# Altium PCB Hrafn.PcbDoc (part 4 of 5) (continued)
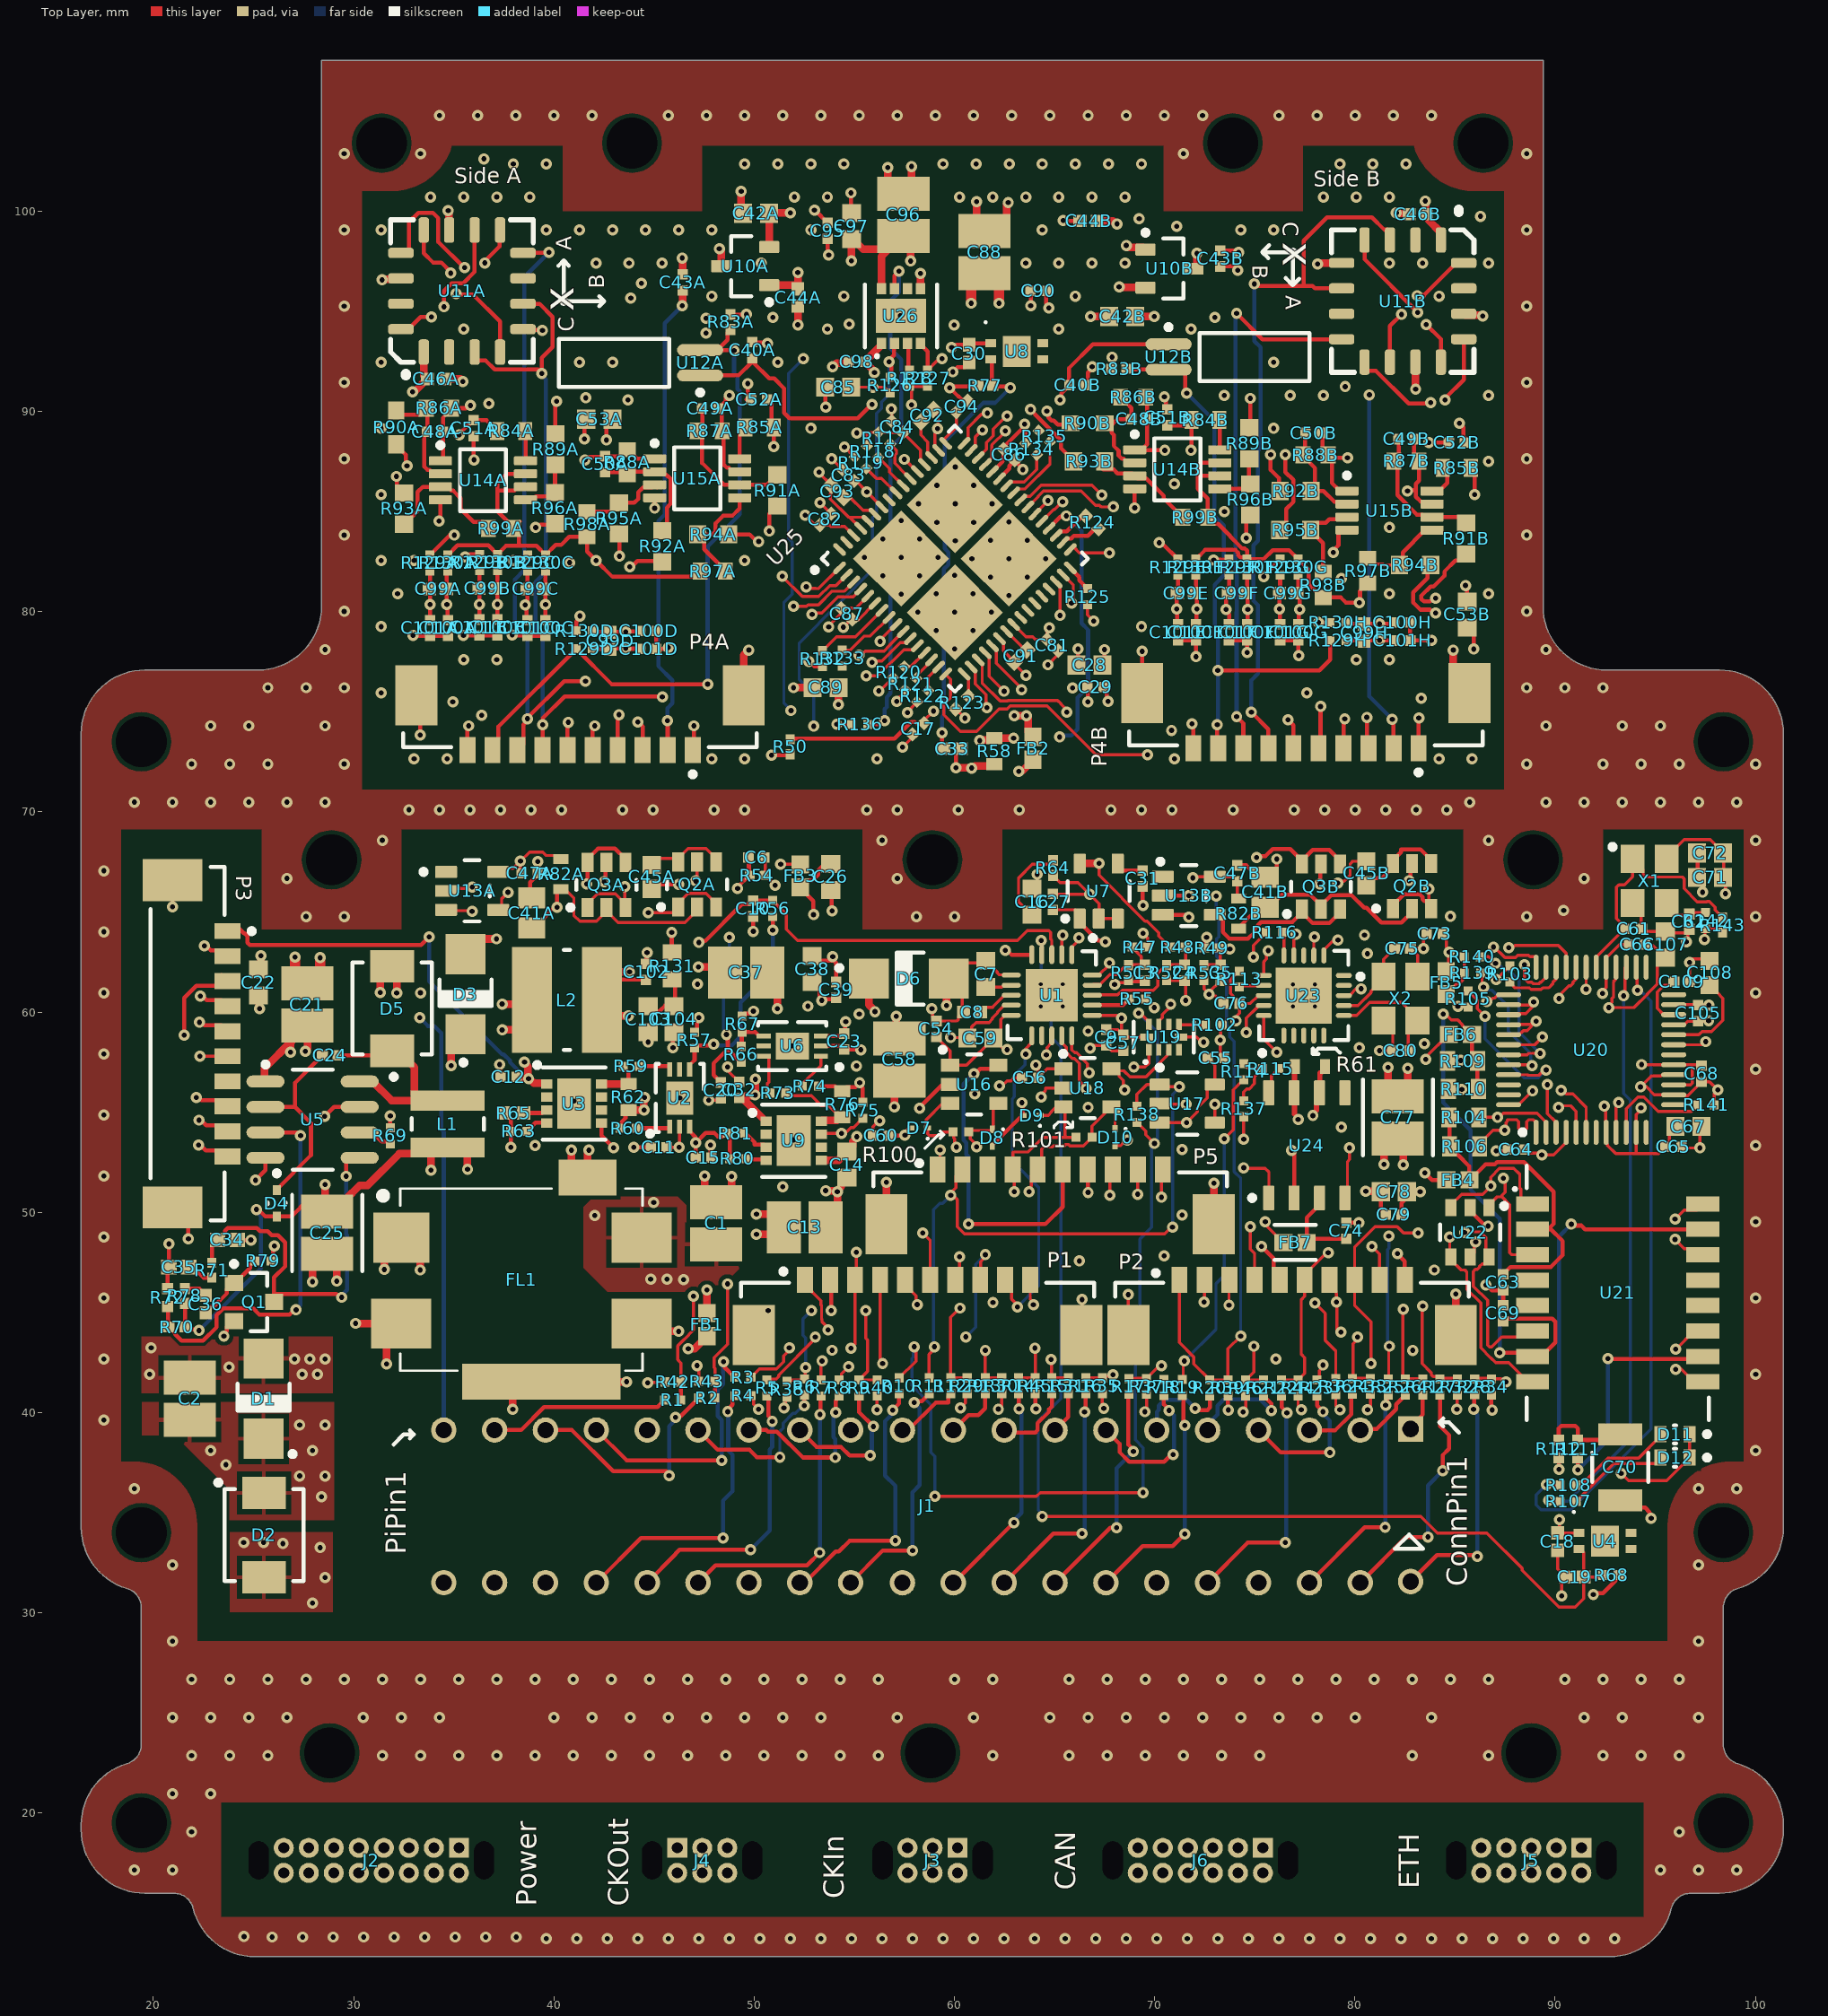
[diagram p0: Top Layer view]
## Nets (pads, with @x,y where several pads share a name; then routed paths per layer and width w, separated by ;. In a path a pad name is that pad's centre, name@x,y a point inside that pad or via, vN(x,y) a via of type N, cw(c..) or ccw(c..) an arc to the next point about the centre after c; other vN are vias at no path point) (continued)
NetC62_1: C62.1 R142.2 X1.3 | length 2.5
  Top Layer w0.152: X1.3@95.567,65.448 95.567,65.348 96.09,64.824 96.616,64.824 C62.1@96.698,64.906 96.698,64.926 96.882,65.11 96.882,64.967 R142.2@97.511,64.967
NetC63_2: C63.2 FB4.1 R104.2 R106.2 U21.2 | length 16.6
  Top Layer w0.152: 90.322,48.616 90.373,48.565
  Top Layer w0.203: R104.2@84.696,54.737 84.721,54.712 R106.2@84.721,53.289 84.721,53.164 84.994,52.891 85.119,52.891 85.717,52.293 FB4.1@85.717,51.613 85.741,51.613 86.511,52.383 86.977,52.383 87.096,52.502 88.445,52.502 89.921,51.026 89.921,49.425 U21.2@89.645,49.149 ; C63.2@87.401,46.907 87.764,47.27 89.787,47.27 90.373,47.856 90.373,48.565 ; U21.2@88.868,49.149 U21.2@89.645,49.149 ; 90.322,48.616 89.789,49.149 U21.2@89.645,49.149
NetC69_2: C69.2 FB6.1 R109.2 R110.2 U21.7 | length 29.7
  Top Layer w0.152: v1(84.404,59.893) 84.514,59.893 84.807,59.6 85.139,59.6 85.348,59.39 85.348,59.349 85.82,58.877 FB6.1@85.844,58.877
  Top Layer w0.203: FB6.1@85.844,58.877 85.844,58.074 85.846,58.072 85.846,57.955 86.119,57.681 R109.2@86.119,57.556 86.119,56.21 R110.2@86.17,56.159 ; v1(87.224,42.977) 88.69,42.977 U21.7@88.868,42.799 89.312,42.799 90.007,43.493 90.007,44.533 89.862,44.678 87.521,44.678 C69.2@87.401,44.558
  Bottom Layer w0.203: v1(84.404,59.893) 84.404,55.474 85.776,54.102 85.776,51.13 87.224,49.682 v1(87.224,42.977)
NetC70_1: C70.1 R111.1 R112.1 | length 4.4
  Top Layer w0.203: R112.1@90.179,38.627 90.18,38.628 90.18,39.207 90.299,39.326 91.003,39.326 91.125,39.204 R111.1@91.125,38.624 92.956,38.624 C70.1@93.243,38.912
NetC74_2: C74.2 FB7.2 U24.3 | length 4.6
  Top Layer w0.203: U24.3@78.232,50.715 78.232,50.365 77.589,49.722 FB7.2@77.589,48.489 77.773,48.673 C74.2@79.578,48.673
NetC75_2: C75.2 U23.7 X2.1 | length 4.3
  Top Layer w0.152: U23.7@79.447,60.327 80.161,60.327 80.797,60.963 80.797,61.042 81.428,61.673 81.428,62.633 81.968,63.173 C75.2@81.988,63.173
NetC80_2: C80.2 U23.6 X2.3 | length 6.1
  Top Layer w0.152: U23.6@79.447,59.827 80.095,59.827 80.744,60.476 82.325,60.476 83.128,59.673 X2.3@83.128,59.573 82.668,59.113 C80.2@82.668,58.073
NetC91_2: C91.2 U25.23 | length 1.7
  Top Layer w0.152: U25.23@62.606,79.003 63.526,78.083 C91.2@63.617,78.083 63.603,78.069 C91.2@63.603,77.739
NetC92_2: C92.2 U25.51 | length 2
  Top Layer w0.152: C92.2@58.345,89.485 58.33,89.471 58.33,88.818 58.672,88.477 58.664,88.47 58.664,87.895 U25.51@58.859,87.701
NetC93_2: C93.2 U25.59 | length 1.9
  Top Layer w0.152: C93.2@54.467,85.7 54.798,85.7 55.432,85.067 55.791,85.067 55.985,84.872 U25.59@56.03,84.872
NetC99A_1: C99A.1 C100A.2 R130A.2 U25.1 | length 23.1
  Top Layer w0.152: v1(52.603,81.239) 52.681,81.161 53.07,81.161 53.078,81.153 53.23,81.153 U25.1@54.262,82.185
  Top Layer w0.203: v1@34.654,80.385 34.658,80.385 v1@34.682,80.409 ; C100A.2@34.709,79.58 34.682,79.608 v1@34.682,80.409 ; R130A.2@34.709,82.031 34.654,81.976 34.654,81.186 34.654,80.436 v1@34.682,80.409
  Internal Top w0.152: v1@34.654,80.436 35.643,81.425 44.445,81.425 44.59,81.28 52.562,81.28 v1(52.603,81.239)
  other v1: 34.654,80.36
NetC99A_2: C99A.2 C101A.2 R129A.2 U25.2 | length 24.7
  Top Layer w0.152: v1(51.41,81.763) 51.41,81.75 52.404,80.756 53.228,80.756 53.771,81.299 54.083,81.299 U25.2@54.616,81.832
  Top Layer w0.203: C101A.2@33.809,79.58 33.812,79.583 33.812,80.379 33.814,80.381 33.814,81.126 33.819,81.131 33.814,81.136 33.814,82.026 R129A.2@33.809,82.031
  Internal Top w0.152: v1@33.814,80.381 35.195,81.763 v1(51.41,81.763)
  other v1: 33.814,80.356
NetC99B_1: C99B.1 C100B.2 R130B.2 U25.3 | length 21.2
  Top Layer w0.152: v1(51.968,80.264) 52.616,80.264 52.694,80.342 53.209,80.342 53.887,81.019 54.511,81.019 U25.3@54.97,81.478
  Top Layer w0.203: C100B.2@37.184,79.606 37.184,81.157 R130B.2@37.184,82.057
  Internal Top w0.152: v1@37.184,80.416 37.719,80.416 38.169,80.866 42.428,80.866 42.574,80.721 45.618,80.721 45.822,80.518 51.604,80.518 51.858,80.264 v1(51.968,80.264)
  other v1: 37.184,80.366
NetC99B_2: C99B.2 C101B.2 R129B.2 U25.4 | length 22.9
  Top Layer w0.152: v1(52.894,79.859) 52.972,79.937 53.387,79.937 54.19,80.74 54.938,80.74 U25.4@55.323,81.125
  Top Layer w0.203: C101B.2@36.284,79.606 36.284,81.157 R129B.2@36.284,82.057
  Internal Top w0.152: v1@36.284,80.442 36.988,81.146 44.329,81.146 44.474,81.001 51.914,81.001 52.451,80.464 52.451,80.302 v1(52.894,79.859)
  other v1: 36.284,80.366
NetC99C_1: C99C.1 C100C.2 R130C.2 U25.9 | length 21.8
  Top Layer w0.152: v1(56.286,78.511) 56.286,78.594 56.781,79.088 56.796,79.088 57.064,79.357 U25.9@57.091,79.357
  Top Layer w0.203: C100C.2@39.584,79.58 v1@39.584,80.384 ; v1@39.584,80.391 39.584,81.131 R130C.2@39.584,82.031
  Internal Top w0.152: v1@39.584,80.384 40.745,79.223 42.513,79.223 43.072,79.781 51.968,79.781 53.442,78.308 55.522,78.308 55.702,78.488 56.263,78.488 v1(56.286,78.511)
  other v1: 39.584,80.358
NetC99C_2: C99C.2 C101C.2 R129C.2 U25.10 | length 23.5
  Top Layer w0.152: v1(55.232,77.826) 55.342,77.826 55.545,78.029 56.486,78.029 56.769,78.312 56.769,78.328 U25.10@57.444,79.003
  Top Layer w0.203: v1@38.568,80.366 v1@38.684,80.366 ; C101C.2@38.684,79.58 38.626,79.638 38.626,80.308 v1@38.684,80.366 ; R129C.2@38.684,82.031 38.684,81.131 v1@38.684,80.366
  Internal Top w0.152: v1@38.568,80.366 39.838,79.096 40.477,79.096 40.629,78.943 42.629,78.943 43.188,79.502 51.853,79.502 53.529,77.826 v1(55.232,77.826)
  other v1: 38.568,80.34
NetC99D_1: C99D.1 C100D.2 R130D.2 U25.11 | length 18.2
  Top Layer w0.152: v1(55.88,77.47) 55.945,77.535 56.388,77.535 57.048,78.196 57.048,78.212 57.292,78.455 57.558,78.455 57.753,78.65 U25.11@57.798,78.65
  Top Layer w0.203: R130D.2@41.918,79.041 41.973,78.986 42.763,78.986 42.818,78.931 42.881,78.994 v1(43.586,78.994) 43.61,79.018 44.295,79.018 C100D.2@44.318,79.041
  Internal Top w0.152: v1(43.586,78.994) 43.586,78.968 45.211,77.343 50.212,77.343 50.517,77.038 55.127,77.038 55.481,77.392 55.802,77.392 v1(55.88,77.47)
NetC99D_2: C99D.2 C101D.2 R129D.2 U25.12 | length 18.2
  Top Layer w0.152: v1(55.59,76.793) 56.161,76.793 57.47,78.102 57.957,78.102 U25.12@58.152,78.296
  Top Layer w0.203: R129D.2@41.918,78.141 41.923,78.146 42.818,78.146 42.828,78.156 v1(43.586,78.156) 43.594,78.149 44.311,78.149 C101D.2@44.318,78.141
  Internal Top w0.152: v1(43.586,78.156) 43.652,78.09 44.069,78.09 45.121,77.038 50.122,77.038 50.401,76.759 55.556,76.759 v1(55.59,76.793)
NetC99E_1: C99E.1 C100E.2 R130E.2 U25.48 | length 20.7
  Top Layer w0.152: U25.48@60.485,88.408 60.679,88.602 60.679,89.185 61.342,89.848 61.578,89.848 v1(61.646,89.916)
  Top Layer w0.203: C100E.2@72.061,79.37 72.086,79.395 72.086,80.138 72.111,80.162 72.111,80.871 72.061,80.921 R130E.2@72.061,81.821
  Internal Top w0.152: v1(61.646,89.916) 61.646,89.82 62.001,89.464 62.001,87.02 68.25,80.772 71.603,80.772 72.111,80.264 v1@72.111,80.162
  other v1: 72.111,80.137
NetC99E_2: C99E.2 C101E.2 R129E.2 U25.47 | length 18.3
  Top Layer w0.152: U25.47@60.839,88.054 60.839,88.076 61.033,88.27 61.033,88.724 61.376,89.067 v1(61.394,89.067)
  Top Layer w0.203: C101E.2@71.161,79.37 71.128,79.403 71.128,80.129 71.095,80.162 71.095,80.854 71.161,80.921 R129E.2@71.161,81.821
  Internal Top w0.152: v1(61.394,89.067) 61.394,88.971 61.671,88.694 61.671,86.884 68.392,80.162 v1@71.095,80.162
  other v1: 71.095,80.137
NetC99F_1: C99F.1 C100F.2 R130F.2 U25.46 | length 21.7
  Top Layer w0.152: U25.46@61.192,87.701 61.597,88.106 61.597,88.439 61.943,88.784 61.943,89.117 62.589,89.764 v1(62.636,89.764)
  Top Layer w0.203: C100F.2@74.613,79.37 74.632,79.388 74.632,80.093 v1(74.651,80.112) 74.651,80.884 74.613,80.921 R130F.2@74.613,81.821
  Internal Top w0.152: v1(62.636,89.764) 63.017,89.383 63.017,88.94 63.195,88.762 63.195,88.395 64.949,86.642 65.803,86.642 69.844,82.601 72.2,82.601 74.651,80.151 v1(74.651,80.112)
NetC99F_2: C99F.2 C101F.2 R129F.2 U25.45 | length 19.7
  Top Layer w0.152: U25.45@61.546,87.347 U25.45@61.546,87.347 61.877,87.68 61.877,88.323 62.535,88.981 v1(62.535,89.027)
  Top Layer w0.203: C101F.2@73.713,79.37 73.713,79.86 73.558,80.015 73.558,80.766 73.713,80.921 R129F.2@73.713,81.821
  Internal Top w0.152: v1(62.535,89.027) 62.916,88.646 62.916,88.28 64.884,86.312 65.666,86.312 69.707,82.271 69.825,82.271 69.875,82.22 71.68,82.22 73.197,80.703 73.197,80.473 v1(73.558,80.112)
NetC99G_1: C99G.1 C100G.2 R130G.2 U25.40 | length 19.7
  Top Layer w0.152: U25.40@63.313,85.579 63.489,85.755 63.596,85.755 63.602,85.749 63.778,85.749 64.338,86.309 66.873,86.309 v1(67.355,85.827)
  Top Layer w0.203: C100G.2@77.166,79.37 77.204,79.408 77.204,80.074 v1(77.241,80.112) 77.241,80.845 77.166,80.921 R130G.2@77.166,81.821
  Internal Top w0.152: v1(67.355,85.827) 68.055,85.827 68.495,85.387 68.495,84.973 69.521,83.947 72.822,83.947 74.236,82.533 74.236,82.233 75.599,80.87 76.483,80.87 v1(77.241,80.112)
NetC99G_2: C99G.2 C101G.2 R129G.2 U25.39 | length 18.4
  Top Layer w0.152: U25.39@63.667,85.226 64.173,85.732 64.173,85.749 64.453,86.029 66.32,86.029 67.041,85.308 67.247,85.308 67.325,85.23 v1(67.933,85.23)
  Top Layer w0.203: C101G.2@76.266,79.37 76.246,79.39 76.246,80.142 76.225,80.162 76.225,80.88 76.266,80.921 R129G.2@76.266,81.821
  Internal Top w0.152: v1(67.933,85.23) 67.933,85.134 68.165,84.902 68.165,84.787 70.021,82.931 71.428,82.931 71.759,83.261 72.977,83.261 73.906,82.332 73.906,82.096 75.462,80.539 75.776,80.539 76.153,80.162 v1@76.225,80.162
  other v1: 76.225,80.137
NetC99H_1: C99H.1 C100H.2 R130H.2 U25.38 | length 23.5
  Top Layer w0.152: U25.38@64.021,84.872 64.021,84.887 64.666,85.532 v1(64.666,85.547)
  Top Layer w0.203: R130H.2@79.561,79.455 79.616,79.4 80.406,79.4 80.461,79.345 80.516,79.4 v1(81.229,79.4) 81.906,79.4 C100H.2@81.961,79.455
  Internal Top w0.152: v1(64.666,85.547) 64.666,85.571 65.077,85.981 65.577,85.981 65.582,85.977 65.601,85.977 67.711,83.866 67.711,83.847 69.821,81.737 71.624,81.737 72.873,80.489 72.873,80.115 73.359,79.629 77.463,79.629 77.869,80.035 79.183,80.035 79.285,79.934 80.695,79.934 v1(81.229,79.4)
NetC99H_2: C99H.2 C101H.2 R129H.2 U25.37 | length 24.1
  Top Layer w0.152: U25.37@64.374,84.519 64.971,85.115 64.999,85.115 65.377,85.494 v1(65.401,85.494)
  Top Layer w0.203: R129H.2@79.561,78.555 79.566,78.56 80.456,78.56 80.461,78.565 80.466,78.56 v1(81.229,78.56) 81.956,78.56 C101H.2@81.961,78.555
  Internal Top w0.152: v1(65.401,85.494) 65.377,85.494 64.893,85.01 64.893,84.595 68.082,81.407 69.19,81.407 69.469,81.128 71.838,81.128 72.593,80.373 72.593,79.934 73.967,78.56 v1(81.229,78.56)
NetC103_1: C103.1 C104.1 R131.2 | length 2.9
  Top Layer w0.203: C103.1@44.704,60.039 45.269,60.039 45.568,60.338 45.958,60.338 C104.1@46,60.296 46.05,60.346 46.05,61.48 R131.2@45.9,61.63
NetC108_1: C108.1 U20.20 | length 4.8
  Top Layer w0.152: U20.20@95.921,58.865 97.172,58.865 97.337,59.03 97.812,59.03 98.374,59.592 98.374,60.69 C108.1@98.091,60.973 ; C108.1@97.714,61.35 C108.1@98.091,60.974
NetC109_2: C109.2 U20.22 | length 2.8
  Top Layer w0.152: U20.22@95.921,59.865 95.421,59.865 95.092,60.193 95.092,61.001 95.426,61.335 95.743,61.335 C109.2@95.927,61.519
NetD11_2: D11.2 R108.2 | length 5.3
  Top Layer w0.152: R108.2@91.053,36.373 91.201,36.522 91.436,36.522 92.634,37.719 94.168,37.719 95.262,38.813 D11.2@95.262,38.913
NetD12_2: D12.2 R107.2 | length 5.2
  Top Layer w0.152: R107.2@91.053,35.56 92.932,37.44 95.038,37.44 95.262,37.663 D12.2@95.262,37.744
NetFB1_2: FB1.2 J1.2 J1.4 | length 1.2
  Top Layer w0.381: v1(46.711,43.18) 46.719,43.189 47.038,43.189 47.641,43.792 FB1.2@47.641,43.816
  Internal Bottom w0.762: v1@46.711,43.155 v1(46.711,43.18)
NetJ1_3: J1.3 R1.2 | length 9.1
  Top Layer w0.203: J1.3@37.04,39.12 38.359,39.12 39.514,40.275 45.175,40.275 R1.2@45.527,40.627
NetJ1_5: J1.5 R2.2 | length 11.8
  Top Layer w0.203: J1.5@39.58,39.12 40.899,39.12 42.952,37.067 45.631,37.067 45.75,36.948 v1(45.75,36.85) ; v1(46.075,39.75) 46.153,39.828 46.338,39.828 R2.2@47.237,40.727
  Bottom Layer w0.203: v1(45.75,36.85) 45.75,39.315 46.075,39.64 v1(46.075,39.75)
NetJ1_7: J1.7 R3.2 | length 13
  Top Layer w0.203: J1.7@42.12,39.12 43.64,37.6 v1(48.375,37.6) ; v1(48.477,42.534) 48.518,42.492 48.518,42.271 R3.2@49.037,41.752
  Bottom Layer w0.203: v1(48.375,37.6) 48.375,39.629 48.175,39.829 48.175,41.139 48.45,41.414 48.45,42.507 v1(48.477,42.534)
NetJ1_8: J1.8 R4.1 | length 14.7
  Top Layer w0.203: J1.8@42.12,31.5 44.345,33.725 v1(48.45,33.725) ; v1(48.683,40.039) 48.683,40.149 48.914,40.379 48.914,40.729 R4.1@49.037,40.852
  Bottom Layer w0.203: v1(48.45,33.725) 48.45,35.599 48.908,36.057 48.908,37.889 48.705,38.093 v1@48.705,39.951
NetJ1_10: J1.10 R5.1 | length 14.1
  Top Layer w0.203: J1.10@44.66,31.5 46.075,32.915 46.075,32.95 46.275,33.15 v1(49.825,33.15) ; R5.1@50.637,40.827 50.719,40.745 50.719,39.827 50.902,39.644 v1(50.902,39.548)
  Bottom Layer w0.203: v1(49.825,33.15) 50.775,34.1 50.775,38.143 50.902,38.27 v1(50.902,39.548)
NetJ1_11: J1.11 R6.2 | length 8.4
  Top Layer w0.203: J1.11@47.2,39.12 48.187,38.133 49.766,38.133 50.13,37.77 v1(51.283,37.77) ; v1(52.502,40.335) 52.507,40.34 52.507,40.871 R6.2@52.512,40.876
  Bottom Layer w0.152: v1(51.283,37.77) 51.283,39.058 51.448,39.223 51.448,39.474 51.933,39.958 52.053,39.958 52.43,40.335 v1(52.502,40.335)
NetJ1_12: J1.12 R7.1 | length 14.5
  Top Layer w0.203: J1.12@47.2,31.5 48.064,32.364 52.639,32.364 v1(53.275,33) ; v1(53.294,39.899) 53.316,39.921 53.316,40.806 R7.1@53.337,40.827
  Bottom Layer w0.203: v1(53.275,33) 53.285,33.01 53.285,39.89 v1(53.294,39.899)
NetJ1_13: J1.13 R8.2 | length 8.1
  Top Layer w0.203: J1.13@49.74,39.12 50.611,39.12 50.691,39.04 51.139,39.04 52.429,37.75 v1(54.05,37.75) ; v1(54.075,40) 54.075,40.585 54.114,40.623 54.114,40.704 R8.2@54.237,40.827
  Bottom Layer w0.203: v1(54.05,37.75) 54.05,38.669 53.956,38.762 53.956,39.881 v1(54.075,40)
NetJ1_15: J1.15 R9.2 | length 7.4
  Top Layer w0.203: J1.15@52.28,39.12 53.117,38.283 54.331,38.283 54.764,37.85 v1(55.8,37.85) ; R9.2@55.237,40.827 55.237,40.013 v1(55.95,39.3)
  Bottom Layer w0.203: v1(55.8,37.85) 55.875,37.925 55.875,39.225 v1(55.95,39.3)
NetJ1_16: J1.16 R10.1 | length 13.5
  Top Layer w0.203: J1.16@52.28,31.5 52.529,31.5 54.079,33.05 54.225,33.05 54.775,33.6 57.046,33.6 v1(57.05,33.604) ; v1(56.916,40.121) 57.237,40.441 R10.1@57.237,40.927
  Bottom Layer w0.203: v1(56.916,40.121) 56.916,40.059 56.916,39.941 56.541,39.566 56.541,36.846 57.05,36.337 v1(57.05,33.604)
NetJ1_18: J1.18 R11.1 | length 12.3
  Top Layer w0.203: J1.18@54.82,31.5 56.416,33.096 v1(57.912,33.096) ; v1(58,40.5) 58.062,40.562 58.372,40.562 R11.1@58.737,40.927
  Bottom Layer w0.203: v1(57.912,33.096) 57.912,36.019 58.268,36.376 58.268,40.232 v1(58,40.5)
NetJ1_19: J1.19 R12.2 | length 3.3
  Top Layer w0.203: J1.19@57.405,39.115 57.693,39.115 59.078,40.5 59.693,40.5 59.693,40.808 R12.2@59.812,40.927
NetJ1_21: J1.21 R13.2 | length 2.8
  Top Layer w0.203: J1.21@59.945,39.115 60.704,39.875 61.2,39.875 61.537,40.212 R13.2@61.537,40.927
NetJ1_22: J1.22 R14.1 | length 10.9
  Top Layer w0.203: J1.22@59.945,31.495 59.957,31.495 62.962,34.5 v1(62.975,34.5) ; R14.1@63.212,40.927 63.218,40.92 63.218,40.182 v1(63.225,40.175)
  Bottom Layer w0.203: v1(62.975,34.5) 62.975,34.61 63.348,34.983 63.348,40.052 v1(63.225,40.175)
NetJ1_23: J1.23 R15.2 | length 3.9
  Top Layer w0.203: J1.23@62.485,39.115 62.6,39 64.042,39 64.161,39.119 64.161,39.473 64.725,40.037 64.725,40.15 64.862,40.287 R15.2@64.862,40.927
NetJ1_24: J1.24 R16.1 | length 12
  Top Layer w0.203: J1.24@62.485,31.495 64.939,33.95 v1(66.375,33.95) ; v1(66.5,40.025) 66.562,40.087 R16.1@66.562,40.927
  Bottom Layer w0.203: v1(66.375,33.95) 66.5,34.075 v1(66.5,40.025)
NetJ1_26: J1.26 R17.1 | length 11.3
  Top Layer w0.203: J1.26@65.025,31.495 67.779,34.25 v1(68.1,34.25) ; R17.1@68.707,40.9 68.691,40.884 68.691,38.39 68.936,38.145 v1(68.936,38.049)
  Bottom Layer w0.203: v1(68.1,34.25) 68.1,37.214 v1(68.936,38.049)
NetJ1_27: J1.27 R18.2 | length 7.6
  Top Layer w0.203: J1.27@67.565,39.115 68.247,38.433 68.247,38.019 68.725,37.541 70.47,37.541 70.829,37.9 v1(70.925,37.9) ; R18.2@70.46,40.85 70.46,40.407 70.725,40.141 v1(70.725,40.1)
  Bottom Layer w0.203: v1(70.725,40.1) 70.968,39.857 70.968,37.943 v1(70.925,37.9)
NetJ1_28: J1.28 R19.1 | length 11.9
  Top Layer w0.203: J1.28@67.565,31.495 69.394,33.325 70.9,33.325 v1(71.5,33.925) ; R19.1@71.374,40.85 71.438,40.786 71.438,39.414 v1(71.502,39.35)
  Bottom Layer w0.203: v1(71.5,33.925) 71.502,33.927 v1(71.502,39.35)
NetJ1_29: J1.29 R20.2 | length 4.8
  Top Layer w0.203: v1(72.025,40.2) 72.102,40.123 72.639,40.123 72.758,40.242 R20.2@72.758,40.827
  Bottom Layer w0.203: J1.29@70.105,39.115 70.105,40.022 70.208,40.125 70.208,40.338 70.504,40.633 71.592,40.633 v1(72.025,40.2)
NetJ1_31: J1.31 R21.2 | length 5.4
  Top Layer w0.203: R21.2@75.437,40.827 75.825,40.439 v1(75.825,40.1)
  Bottom Layer w0.203: J1.31@72.645,39.115 72.645,39.404 73.142,39.901 73.142,40.346 73.454,40.658 75.267,40.658 v1(75.825,40.1)
NetJ1_32: J1.32 R22.1 | length 12.2
  Top Layer w0.203: J1.32@72.645,31.495 74.649,33.5 v1(76.525,33.5) ; R22.1@76.337,40.827 76.337,40.263 76.55,40.05 76.55,40.027 v1(76.602,39.975)
  Bottom Layer w0.203: v1(76.525,33.5) 76.564,33.539 76.564,39.936 v1(76.602,39.975)
NetJ1_33: J1.33 R23.2 | length 7.1
  Top Layer w0.203: J1.33@75.185,39.115 76.3,38 v1(78.75,38) ; R23.2@78.112,40.827 78.112,40.343 78.41,40.045 v1(78.41,40.036)
  Bottom Layer w0.203: v1(78.41,40.036) 78.41,39.926 78.75,39.587 v1(78.75,38)
NetJ1_35: J1.35 R24.2 | length 3.4
  Top Layer w0.203: J1.35@77.725,39.115 79.02,39.115 79.825,39.921 79.825,40.842 R24.2@79.883,40.9
NetJ1_36: J1.36 R25.1 | length 11.6
  Top Layer w0.203: J1.36@77.725,31.495 80.494,34.265 v1(81.509,34.265) ; v1(81.534,40.361) 81.597,40.424 81.597,40.812 R25.1@81.661,40.875
  Bottom Layer w0.203: v1(81.509,34.265) 81.521,34.277 81.521,40.348 v1(81.534,40.361)
NetJ1_37: J1.37 R26.2 | length 3.1
  Top Layer w0.203: J1.37@80.265,39.115 80.325,39.175 81.085,39.175 82.063,40.153 82.063,40.413 R26.2@82.525,40.875
NetJ1_38: J1.38 R27.1 | length 12
  Top Layer w0.203: J1.38@80.265,31.495 82.551,33.782 v1(83.642,33.782) ; R27.1@84.252,40.875 84.252,39.316 84.7,38.868 84.7,38.185 84.379,37.864 v1(84.379,37.084)
  Bottom Layer w0.203: v1(83.642,33.782) 83.642,36.347 v1(84.379,37.084)
NetJ1_40: J1.40 R28.1 | length 12.1
  Top Layer w0.203: J1.40@82.782,31.555 84.102,32.875 86.048,32.875 v1(86.106,32.817) ; v1(85.926,40.159) 85.953,40.185 85.953,40.855 R28.1@85.979,40.881
  Bottom Layer w0.203: v1(85.926,40.159) 85.926,40.063 86.106,39.883 v1(86.106,32.817)
NetQ3A_1: Q3A.1 Q3A.3 U13A.4 | length 10.5
  Top Layer w0.152: U13A.4@37.391,65.101 37.391,65.667 v1(37.705,65.982) ; Q3A.1@41.677,65.22 41.677,65.395 42.18,65.898 43.073,65.898 Q3A.3@43.547,65.424 ; v1(43.547,66.261) Q3A.3@43.547,65.424 ; Q3A.3@43.577,65.22 43.547,65.249 Q3A.3@43.547,65.424
  Internal Top w0.152: v1(37.705,65.982) 37.774,65.913 43.177,65.913 43.525,66.261 v1(43.547,66.261)
NetQ3B_1: Q3B.1 Q3B.3 U13B.4 | length 8.6
  Top Layer w0.203: U13B.4@73.004,64.861 73.203,64.861 73.402,64.663 73.402,63.991 73.732,63.66 74.654,63.66 74.986,63.991 74.986,64.164 75.308,64.486 76.873,64.486 Q3B.1@77.291,64.904 ; Q3B.1@77.355,65.142 77.355,64.967 Q3B.1@77.291,64.904 ; Q3B.3@79.255,65.142 79.255,64.967 78.726,64.439 77.883,64.439 77.418,64.904 Q3B.1@77.291,64.904
NetR55_1: R55.1 U1.17 | length 2
  Top Layer w0.203: U1.17@66.887,60.34 68.424,60.34 R55.1@68.739,60.655
NetR56_1: R56.1 R57.1 U2.4 | length 10.4
  Top Layer w0.203: U2.4@46.779,57.132 46.779,57.357 47.025,57.603 R57.1@47.025,58.2 47.148,58.323 47.912,58.323 v1(47.98,58.391) ; R56.1@50.925,64.775 50.925,64.086 v1(50.927,64.084)
  Bottom Layer w0.203: v1(47.98,58.391) 48.048,58.323 48.869,58.323 49.327,58.781 49.327,60.477 50.927,62.078 v1(50.927,64.084)
NetR59_1: R59.1 R62.1 U3.8 | length 2.4
  Top Layer w0.203: R59.1@43.408,57.296 43.408,57.246 43.532,57.123 43.582,57.123 43.73,56.974 R62.1@43.73,56.396
  Top Layer w0.381: U3.8@42.379,56.404 42.383,56.4 43.726,56.4 R62.1@43.73,56.396
NetR59_2: R59.2 U2.6 | length 1.6
  Top Layer w0.203: R59.2@44.308,57.296 45.755,57.296 45.779,57.273 U2.6@45.779,57.132
NetR60_2: R60.2 U2.1 | length 1.7
  Top Layer w0.203: R60.2@44.155,54.197 45.755,54.197 45.779,54.22 U2.1@45.779,54.272
NetR63_2: R63.2 U3.4 | length 1.2
  Top Layer w0.203: R63.2@38.644,54.044 39.079,54.479 39.614,54.479 U3.4@39.639,54.454
NetR65_2: R65.2 U3.3 | length 1.3
  Top Layer w0.203: R65.2@38.44,54.959 39.448,54.959 39.594,55.104 U3.3@39.639,55.104
NetR66_1: R66.1 R67.1 U6.4 | length 1.9
  Top Layer w0.203: R66.1@49.352,58.287 49.378,58.313 49.378,58.974 R67.1@49.405,59.001 50.05,59.001 50.25,58.801 U6.4@50.475,58.801
NetR69_2: R69.2 U5.6 | length 1.8
  Top Layer w0.203: U5.6@30.3,53.99 30.95,53.99 31.397,53.543 31.707,53.543 R69.2@31.83,53.42
NetR70_1: R70.1 R72.2 U5.3 | length 19.6
  Top Layer w0.203: R72.2@20.706,45.291 20.735,45.262 20.735,44.297 R70.1@20.764,44.268 20.789,44.268 21.085,43.972 21.085,43.898 21.398,43.586 22.485,43.586 23.15,44.25 23.15,44.867 23.48,45.197 24.983,45.197 25.29,44.89 26.794,44.89 27.029,45.125 v1(27.125,45.125) ; U5.3@25.6,53.99 27.185,53.99 v1(27.35,53.825)
  Bottom Layer w0.203: v1(27.125,45.125) 27.35,45.35 v1(27.35,53.825)
NetR73_1: R73.1 R76.1 U9.8 | length 4.3
  Top Layer w0.152: R73.1@51.631,55.956 51.613,55.956 51.591,55.935 51.703,55.822 52.855,55.822 53.345,55.332 53.723,55.332 R76.1@54.305,54.751
  Top Layer w0.381: U9.8@53.345,54.551 53.389,54.595 54.149,54.595 R76.1@54.305,54.751
NetR73_2: R73.2 U6.6 | length 2
  Top Layer w0.152: U6.6@50.606,57.801 50.681,57.801 50.729,57.752 50.729,56.495 50.655,56.42 50.655,56.033 R73.2@50.731,55.956
NetR74_2: R74.2 U6.1 | length 1.9
  Top Layer w0.152: R74.2@52.355,56.301 52.355,56.351 53.335,57.331 U6.1@53.335,57.801
NetR80_2: R80.2 U9.4 | length 1.1
  Top Layer w0.203: R80.2@49.574,52.68 49.614,52.64 50.565,52.64 U9.4@50.605,52.601
NetR81_2: R81.2 U9.3 | length 1.4
  Top Layer w0.203: R81.2@49.575,53.95 49.575,53.947 50.02,53.503 50.02,53.376 50.48,53.376 U9.3@50.605,53.251
NetR84A_1: R84A.1 U14A.8 | length 1.5
  Top Layer w0.203: R84A.1@38.566,89.021 38.581,89.006 U14A.8@38.581,87.535
NetR84B_1: R84B.1 U14B.8 | length 1.5
  Top Layer w0.203: R84B.1@73.238,89.569 73.253,89.554 U14B.8@73.253,88.083
NetR85A_1: R85A.1 U15A.8 | length 1.7
  Top Layer w0.203: U15A.8@49.281,87.635 49.281,88.813 49.572,89.103 R85A.1@49.572,89.203
NetR85B_1: R85B.1 U15B.8 | length 1.8
  Top Layer w0.203: U15B.8@83.852,86.024 84.202,86.024 84.612,86.435 84.612,86.95 R85B.1@84.39,87.173
NetR89A_1: R89A.1 R96A.2 U14A.5 | length 3
  Top Layer w0.203: U14A.5@38.581,85.585 38.931,85.585 39.095,85.749 39.862,85.749 R96A.2@40.056,85.943 40.056,87.311 R89A.1@40.081,87.336
NetR89B_1: R89B.1 R96B.2 U14B.5 | length 3.1
  Top Layer w0.203: U14B.5@73.253,86.133 74.536,86.133 R96B.2@74.778,86.375 74.706,86.446 R89B.1@74.706,87.786
NetR93A_2: R93A.2 R99A.2 U14A.3 | length 6.8
  Top Layer w0.203: R93A.2@32.512,84.364 32.539,84.364 33.197,85.022 33.197,85.98 33.452,86.235 34.681,86.235 34.878,86.038 34.972,86.038 35.346,85.664 35.346,85.126 35.989,84.483 36.458,84.483 36.731,84.21 R99A.2@36.731,84.16
NetR93B_2: R93B.2 R99B.2 U14B.3 | length 5.5
  Top Layer w0.203: R93B.2@67.503,87.503 67.426,87.427 67.426,87.097 67.954,87.097 68.145,86.906 68.88,86.906 69.127,86.659 69.571,86.659 70.46,85.771 70.46,85.651 71.08,85.031 71.13,85.031 71.403,84.758 R99B.2@71.403,84.708
NetR94A_2: R94A.2 R97A.2 U15A.5 | length 5.8
  Top Layer w0.203: R97A.2@48.555,82.017 48.555,82.067 47.507,83.114 47.507,83.532 R94A.2@47.18,83.86 47.914,83.86 48.075,84.021 48.075,84.41 48.447,84.783 48.909,84.783 49.281,85.155 U15A.5@49.281,85.685
NetR94B_2: R94B.2 R97B.2 U15B.5 | length 4.2
  Top Layer w0.152: R97B.2@80.645,82.667 80.944,82.368 81.412,82.368 81.459,82.321 R94B.2@82.23,82.321
  Top Layer w0.203: R94B.2@82.23,82.321 82.391,82.482 82.391,82.963 83.499,84.071 U15B.5@83.656,84.071
NetR95A_2: R95A.2 R98A.2 U15A.3 | length 4.3
  Top Layer w0.203: R98A.2@41.656,84.985 42.778,84.985 43.23,85.436 R95A.2@43.256,85.436 44.017,85.436 44.204,85.623 44.204,85.952 44.464,86.211 44.908,86.211 U15A.3@45.031,86.335 U15A.3@45.155,86.211
NetR95B_2: R95B.2 R98B.2 U15B.3 | length 4.8
  Top Layer w0.203: R98B.2@78.41,81.956 78.41,83.427 77.79,84.047 R95B.2@77.79,84.074 77.79,84.101 78.117,84.428 78.537,84.428 78.722,84.614 79.128,84.614 79.239,84.724 U15B.3@79.952,84.724
NetR102_2: R102.2 U19.6 | length 1.4
  Top Layer w0.152: U19.6@71.21,59.388 71.238,59.36 R102.2@72.574,59.36
NetR103_2: R103.2 U20.34 | length 3.4
  Top Layer w0.152: R103.2@87.732,61.5 87.906,61.326 87.906,61.3 87.998,61.208 88.718,61.208 88.794,61.133 89.297,61.133 89.373,61.208 89.666,61.208 89.889,61.431 89.889,61.498 90.046,61.655 U20.34@90.046,62.295
NetR105_2: R105.2 U20.45 | length 8.8
  Top Layer w0.152: R105.2@85.649,61.055 86.105,60.599 86.105,60.174 v1(86.49,59.789) ; U20.45@87.671,56.865 88.62,56.865 88.643,56.842 89.176,56.842 89.441,57.106 v1(89.551,57.106)
  Bottom Layer w0.152: v1(86.49,59.789) 86.487,59.787 86.487,58.674 88.443,56.718 89.162,56.718 v1(89.551,57.106)
NetR107_1: R107.1 U20.27 | length 29.8
  Top Layer w0.152: v1(89.678,35.62) 90.193,35.62 R107.1@90.253,35.56 ; v1(93.422,60.808) 93.484,60.869 93.484,62.234 U20.27@93.546,62.295
  Bottom Layer w0.152: v1(89.678,35.62) 89.738,35.56 90.641,35.56 93.751,38.67 93.751,55.597 93.422,55.926 v1(93.422,60.808)
NetR108_1: R108.1 U20.26 | length 33
  Top Layer w0.152: v1(89.56,36.398) 89.573,36.386 90.24,36.386 R108.1@90.253,36.373 ; U20.26@94.046,62.295 94.081,62.26 94.081,61.123 v1(94.117,61.087)
  Bottom Layer w0.152: v1(89.56,36.398) 89.051,35.888 89.051,35.384 89.297,35.137 90.763,35.137 94.793,39.167 94.793,60.542 94.375,60.96 94.32,60.96 94.193,61.087 v1(94.117,61.087)
NetR111_2: R111.2 U21.10 | length 11.6
  Top Layer w0.203: R111.2@91.125,37.724 91.13,37.719 91.13,37.14 v1(91.135,37.135) ; v1(92.634,42.697) 92.672,42.659 97.238,42.659 U21.10@97.378,42.799
  Bottom Layer w0.203: v1(91.135,37.135) 92.634,38.633 v1(92.634,42.697)
NetR112_2: R112.2 U21.15 | length 19.7
  Top Layer w0.203: R112.2@90.179,37.727 90.187,37.719 90.187,37.169 v1(90.195,37.16) ; v1(90.805,49.403) 90.873,49.335 91.305,49.335 91.491,49.149 U21.15@97.378,49.149
  Bottom Layer w0.203: v1(90.195,37.16) 90.195,48.793 v1(90.805,49.403)
NetR113_2: R113.2 U23.17 | length 1.3
  Top Layer w0.152: R113.2@74.219,61.246 74.281,61.308 75.428,61.308 U23.17@75.447,61.327
NetR114_1: R114.1 R115.2 R137.2 | length 3.1
  Top Layer w0.152: R137.2@74.447,55.569 74.447,56.007 74.601,56.16 74.722,56.16 74.983,56.422 74.983,56.765 R115.2@75.394,57.175 74.695,57.175 R114.1@74.447,57.423
NetR115_1: R115.1 U24.8 | length 1.4
  Top Layer w0.152: U24.8@75.692,55.965 75.829,56.102 75.829,56.811 R115.1@76.194,57.175
NetR116_2: R116.2 U23.15 | length 1.1
  Top Layer w0.152: U23.15@76.447,62.827 76.454,62.834 R116.2@76.454,63.881
NetR117_1: R117.1 U25.54 | length 2.2
  Top Layer w0.152: R117.1@56.786,88.384 57.107,88.063 57.107,87.888 57.023,87.804 57.023,87.405 57.566,86.861 57.577,86.861 U25.54@57.798,86.64
NetR118_1: R118.1 U25.55 | length 1.9
  Top Layer w0.152: R118.1@56.2,87.707 56.768,87.139 56.768,86.963 U25.55@57.444,86.287
NetR119_1: R119.1 U25.56 | length 2
  Top Layer w0.152: R119.1@55.6,87.157 56.099,86.658 56.366,86.658 U25.56@57.091,85.933
NetR120_1: R120.1 U25.13 | length 1.3
  Top Layer w0.152: R120.1@57.496,77.262 57.825,77.262 U25.13@58.505,77.943
NetR121_1: R121.1 U25.14 | length 1.2
  Top Layer w0.152: R121.1@58.096,76.662 58.096,76.8 58.859,77.563 U25.14@58.859,77.589
NetR122_1: R122.1 U25.15 | length 1.4
  Top Layer w0.152: R122.1@58.696,76.062 58.696,76.72 U25.15@59.212,77.236
NetR123_1: R123.1 U25.17 | length 1.2
  Top Layer w0.152: U25.17@60.485,76.882 60.696,76.671 R123.1@60.696,75.77